# Altium PCB Board.PcbDoc (part 4 of 8) (continued)
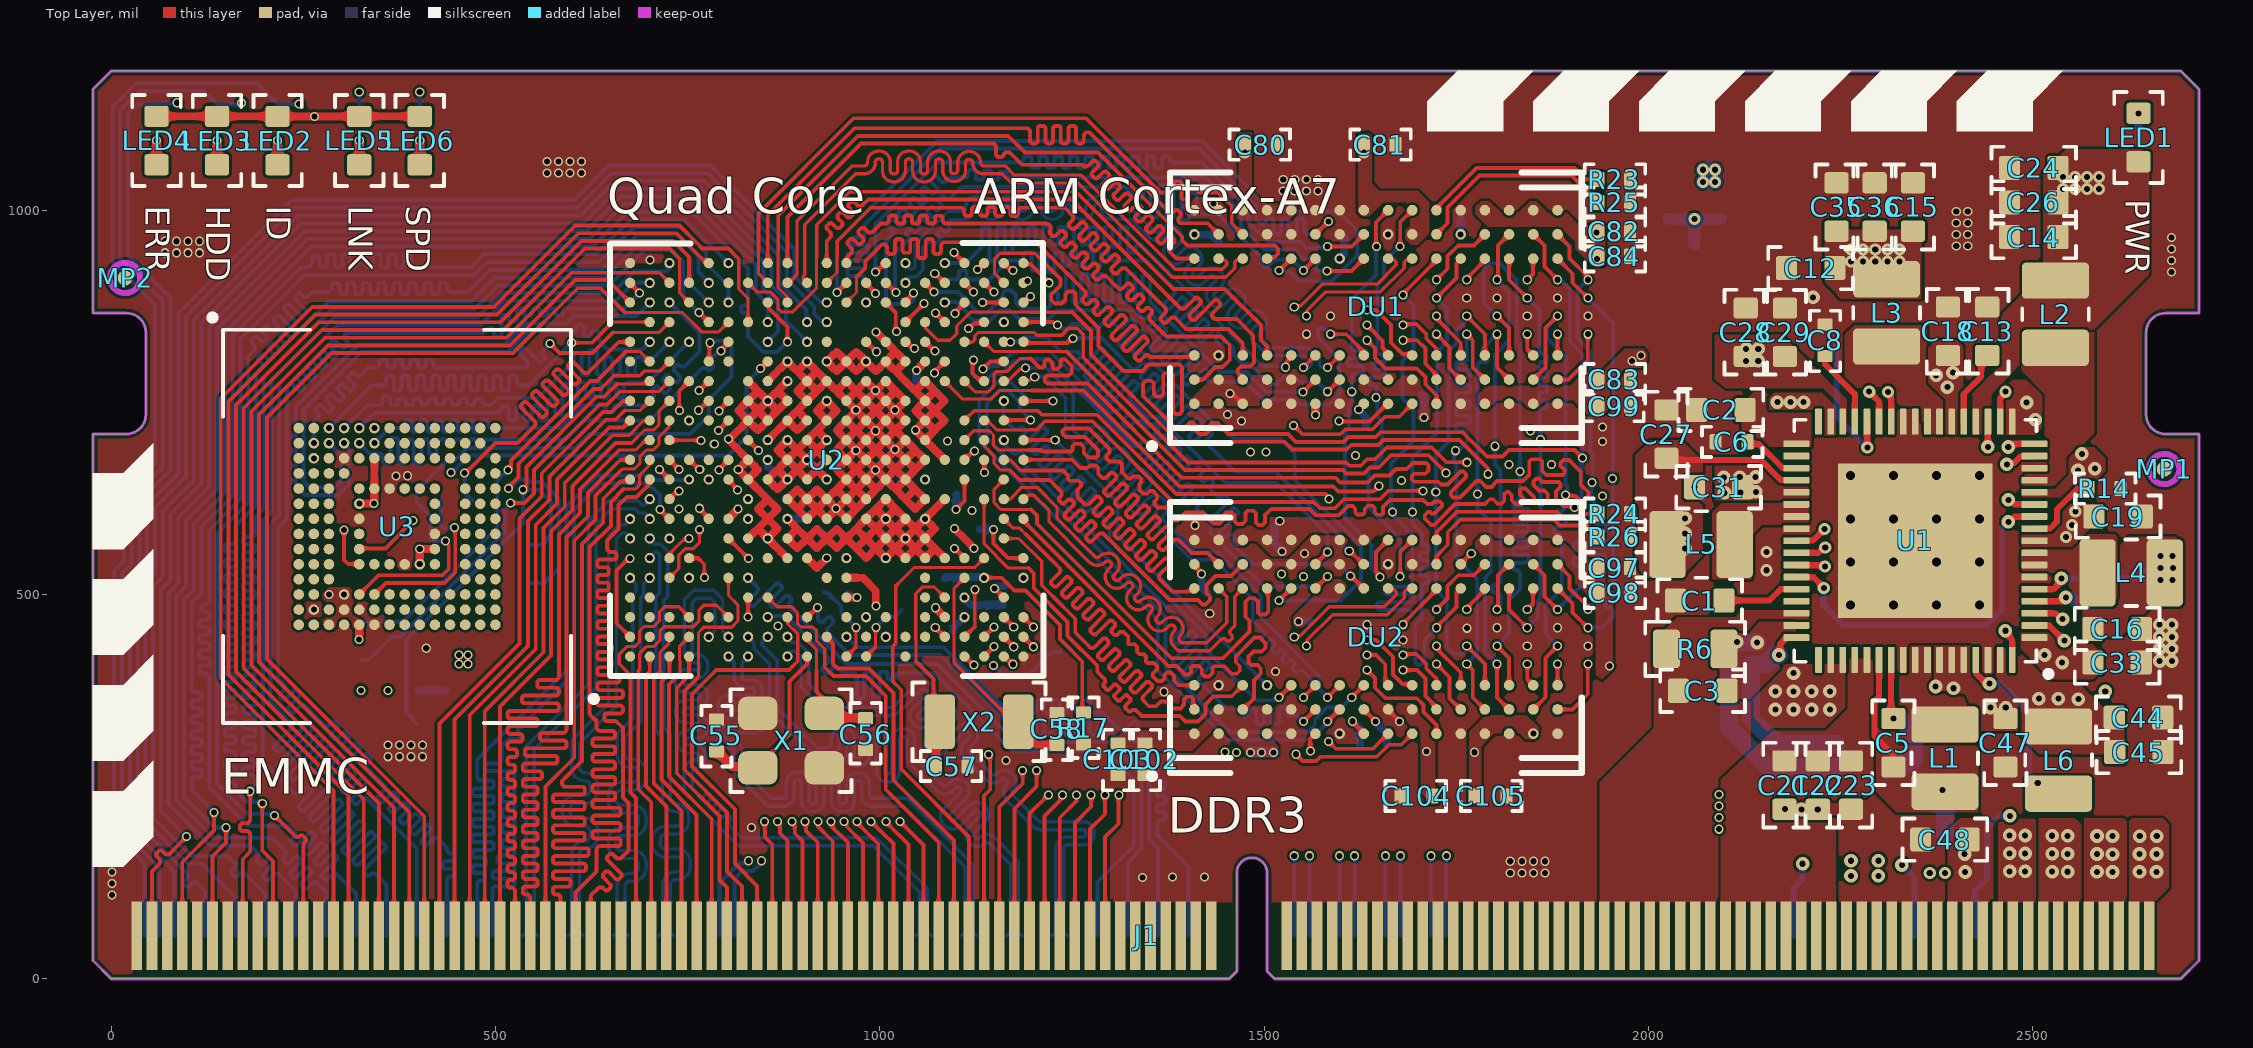
[diagram p0: Top Layer view]
## Nets (pads, with @x,y where several pads share a name; then routed paths per layer and width w, separated by ;. In a path a pad name is that pad's centre, name@x,y a point inside that pad or via, vN(x,y) a via of type N, cw(c..) or ccw(c..) an arc to the next point about the centre after c; other vN are vias at no path point) (continued)
SA3: DU1.N2 DU2.N2 U2.V20 | length 2004.4
  Top Layer w5: U2.V20@1110.24,905.51 v1(1122.05,893.7) ; v1(1763.78,409.45) 1771.65,401.58 1771.65,366.14 DU2.N2@1787.4,350.39 ; v1(1763.78,838.58) 1771.65,830.71 1771.65,795.28 DU1.N2@1787.4,779.53
  Int3 (Sign) w5: v1(1122.05,893.7) 1134.24,893.7 1136.81,896.27 1136.81,898.52 1143.52,905.23 1143.52,909.48 1141,912 1135.42,912 1129.02,905.6 1119.55,905.6 1114.54,910.6 1114.54,929.5 1123.6,938.56 1132.44,938.56 1139.44,931.56 1144.07,931.56 1147,934.49 1147,938.83 1143.27,942.56 1143.27,947.71 1148,952.44 1153,952.44 1156.26,949.19 1156.26,937.81 1160.91,933.16 1169.07,933.16 1172,936.09 1172,941 1168.07,944.93 1168.07,949.07 1171,952 1180.07,952 1183,949.07 1183,936.93 1185.93,934 1192.95,934 1196.76,937.81 1196.76,941.24 1193.07,944.93 1193.07,949.07 1196,952 1205.85,952 1208.78,949.07 1208.78,929.55 1216.33,922 1340.11,922 1418.81,843.31 1453.87,843.31 1474.69,822.48 1474.69,813.69 1471,810 1471,800 1475,796 1480,796 1489.43,805.43 1493.57,805.43 1501,798 1501,792.93 1498.07,790 1491,790 1489.21,788.21 1489.21,782.41 1496.55,775.07 1502.07,775.07 1512,785 1517,785 1519.93,782.07 1519.93,777.93 1513.13,771.13 1513.13,764.93 1516.06,762 1525.13,762 1543.13,780 1591.02,780 1598.33,787.3 1634.7,787.3 1658,764 1658,751 1634.83,727.83 1634.83,718.17 1643.02,709.98 1645.77,707.23 1674.14,707.23 1678.16,703.21 1678.16,697.94 1675.93,695.71 1640.58,695.71 1624.29,712 1620.63,712 1616.27,707.63 1616.27,703.1 1635.54,683.83 1686.82,683.83 1690,687.01 v1(1749.27,687.01)
  Bottom Layer w5: v1@1747.1,684.84 1747.1,672.9 1750.37,669.63 1750.37,547.33 1777.35,520.36 1777.35,450.52 1777.18,450.36 1777.18,422.85 v1(1763.78,409.45) ; v1(1749.27,687.01) 1752.79,687.01 1763.78,698 1763.78,705 1763.78,707.5 ccw(c1758.78,707.5) 1758.78,712.5 1752.5,712.5 cw(c1752.5,715) 1750,715 1750,720 cw(c1752.5,720) 1752.5,722.5 1765.43,722.5 ccw(c1765.43,725) 1767.93,725 1767.93,730 ccw(c1765.43,730) 1765.43,732.5 1752.5,732.5 cw(c1752.5,735) 1750,735 1750,740 cw(c1752.5,740) 1752.5,742.5 1765.43,742.5 ccw(c1765.43,745) 1767.93,745 1767.93,750 ccw(c1765.43,750) 1765.43,752.5 1752.5,752.5 cw(c1752.5,755) 1750,755 1750,760 cw(c1752.5,760) 1752.5,762.5 1765.43,762.5 ccw(c1765.43,765) 1767.93,765 1767.93,770 ccw(c1765.43,770) 1765.43,772.5 1752.5,772.5 cw(c1752.5,775) 1750,775 1750,780 cw(c1752.5,780) 1752.5,782.5 1765.43,782.5 ccw(c1765.43,785) 1767.93,785 1767.93,790 ccw(c1765.43,790) 1765.43,792.5 1752.5,792.5 cw(c1752.5,795) 1750,795 1750,800 cw(c1752.5,800) 1752.5,802.5 1758.78,802.5 ccw(c1758.78,807.5) 1763.78,807.5 1763.78,826.15 v1(1763.78,838.58)
SA4: DU1.P8 DU2.P8 U2.V21 | length 1882.7
  Top Layer w5: v1(1096.46,944.88) U2.V21@1110.24,931.1 ; v1@1804.51,485.61 1804.51,524.98 DU2.P8@1818.9,539.37 ; v1@1804.51,914.74 1804.51,954.12 DU1.P8@1818.9,968.51
  Int3 (Sign) w5: v1(1096.46,944.88) 1124.02,972.44 1250,972.44 1260,962.44 1260,945.38 1262.93,942.45 1269.45,942.45 1272,945 1272,967.44 1277,972.44 1281.23,972.44 1285.97,967.7 1285.97,945.4 1288.93,942.45 1294,942.45 1297.68,946.13 1297.68,970.64 1300.33,973.29 1305.71,973.29 1311,968 1311,948.45 1314.93,944.52 1319.07,944.52 1323,948.45 1323,969.59 1326.7,973.29 1332.34,973.29 1336,969.64 1340.13,965.5 1340.14,957.25 1336.01,953.13 1336.01,948.98 1339.62,945.38 1344.8,945.38 1354,954.58 1359.42,954.58 1367.45,946.55 1367.45,943.69 1361.67,937.91 1361.67,933.08 1367.85,926.9 1373.92,926.9 1378.84,931.82 1383.18,931.82 1387.93,927.07 1387.93,922.93 1382.88,917.88 1382.88,911.88 1383.12,911.88 1388.93,906.07 1393.07,906.07 1397.93,910.93 1402.07,910.93 1406,907 1406,901 1402.07,897.07 1402.07,892.68 1406.96,887.79 1413.11,887.79 1413.11,888.11 1417.93,892.93 1422.07,892.93 1425.93,889.07 1425.93,882.93 1420.95,877.95 1420.95,873.8 1423.8,870.95 1433.67,870.95 1437.72,875 1457.14,875 1466.07,866.07 1466.07,861.93 1470,858 1474.07,858 1484.99,868.92 1490.49,868.92 1494.65,864.76 1494.65,856.65 1486.49,848.49 1486.49,841.51 1490.28,837.72 1496.02,837.72 1507.3,849 1515.13,849 1519.29,844.84 1519.29,836.16 1513.03,829.9 1510.6,829.9 ; 1511,830 1505,830 1502.58,827.58 1502.58,823.44 1508.02,818 1531.14,818 1533.64,820.49 1533.64,824.46 1529.95,828.15 1529.95,846.49 1534.47,851.01 1537.83,851.01 1541.18,847.66 1541.18,833.43 1555.63,818.99 1603.31,818.99 1615,807.3 1659.14,807.3 1684.57,781.87 1684.57,728.71 1702.87,710.42 1759.42,710.42 1768,719 1780,719 1785.86,713.14 1785.86,703.05 1781.88,699.07 1781.88,694.74 1787.55,689.07 1791.07,689.07 1793.56,691.56 1799.19,691.56 v1(1800.49,692.86)
  Bottom Layer w5: v1(1803.15,480.31) 1803.15,482.16 1807.49,486.5 1807.49,495 1807.49,497.5 ccw(c1802.49,497.5) 1802.49,502.5 1800,502.5 cw(c1800,505) 1797.5,505 1797.5,510 cw(c1800,510) 1800,512.5 1802.49,512.5 ccw(c1802.49,517.5) 1807.49,517.5 1807.49,532.28 1807.49,661.74 1800.49,668.74 v1(1800.49,692.86) 1800.49,812.3 1818.9,830.71 1818.9,893.7 v1(1803.15,909.45)
SA5: DU1.P2 DU2.P2 U2.Y19 | length 1963.4
  Top Layer w5: v1(1133.86,879.77) 1133.93,879.84 1161.34,879.84 U2.Y19@1161.42,879.92 ; v1(1803.15,409.45) 1803.15,366.14 DU2.P2@1818.9,350.39 ; v1(1803.15,838.58) 1803.15,795.28 DU1.P2@1818.9,779.53
  Int3 (Sign) w5: v1(1133.86,879.77) 1133.86,828.66 1197.51,765 1234.7,765 1242.99,756.72 1252.69,756.72 1255.8,753.6 1255.8,748.88 1251.92,745 1240,745 1238,743 1238,737.55 1240.93,734.62 1258.27,734.62 1266.61,742.96 1271.35,742.96 1274.22,740.09 1274.22,734.64 1269.95,730.37 1269.95,723 1275.55,717.4 1282.3,717.4 1289.9,725 1294.98,725 1301.92,718.06 1301.92,713.92 1295,707 1295,699.23 1299.54,694.68 1303.68,694.68 1306.61,697.61 1306.61,701.61 1309.93,704.93 1314.07,704.93 1320.26,698.74 1320.26,692.96 1315.18,687.88 1315.18,679.04 1322.16,672.07 1329.07,672.07 1334,677 1339,677 1345.93,670.07 1345.93,665.93 1340,660 1340,654.23 1346.04,648.18 1350.18,648.18 1355.93,653.93 1360.07,653.93 1363.48,650.52 1363.48,628.2 1369.93,621.76 1373.24,621.76 1376,624.52 1376,632.34 1384.48,640.83 1392.55,640.83 1395.17,638.21 1395.17,633.31 1390,628.15 1390,624 1392.68,621.32 1401.01,621.32 1403.45,623.77 1403.45,636.91 1408.81,642.27 1416.03,642.27 1420.17,638.14 1420.17,633.24 1415,628.08 1415,623.93 1417.93,621 1426,621 1442.49,637.49 1481.51,637.49 1488.93,630.07 1488.93,625.93 1486.69,623.69 1444.17,623.69 1440.28,619.79 1440.28,616.15 1443.07,613.35 1492.57,613.35 1502,622.78 1502,627 1499.07,629.93 1499.07,634.07 1502,637 1508.73,637 1514,642.27 1588.25,642.27 1594.01,636.51 1607.08,636.51 1611.71,631.88 1621.88,631.88 1625,635 1625,640 1628,643 1634.62,643 1637.62,640 1637.62,635.23 1643.72,629.13 1658.13,629.13 1666,637 1672.07,637 1673.84,635.23 1673.84,627.16 1675.86,625.14 1682.8,625.14 1690.7,633.04 1690.7,658.7 1693.93,661.93 1702.07,661.93 1705,659 1705,648.97 1707.26,646.71 1712.29,646.71 1715.43,649.85 1715.43,661.82 1718.35,664.73 1722.13,664.73 1724.38,662.49 1724.38,648.29 1726.76,645.91 1732.02,645.91 1735.4,642.53 1735.4,632.93 1738.33,630 1742.16,630 1744.65,632.49 1744.65,648.6 1746.05,650 1749.4,650 1752.74,646.66 1752.74,627 1754.74,625 1760.42,625 1762.08,626.66 1762.08,639.58 1763.51,641 1770.38,641 1777.55,633.83 v1(1777.55,630.97)
  Bottom Layer w5: v1(1777.55,630.97) v1@1777.93,631.35 ; v1(1803.15,409.45) 1787.4,425.19 1787.4,521.4 1795,529 1795,595 1777.93,612.07 v1@1777.93,631.35 ; v1(1803.15,838.58) 1793.77,829.21 1791.27,826.71 1785.46,820.89 ccw(c1789.03,817.39) 1787.99,812.5 cw(c1787.99,810) 1790.49,810 1790.49,805 cw(c1787.99,805) 1787.99,802.5 1782.93,802.5 ccw(c1782.93,797.5) 1777.93,797.5 1777.93,785 v1@1777.93,631.35
SA6: DU1.R8 DU2.R8 U2.Y20 | length 1938.2
  Top Layer w4: 1156.99,943.92 1149.22,936.15 1149.22,917.71 U2.Y20@1161.42,905.51
  Top Layer w5: 1156.99,943.92 1201.75,943.92 1235.11,910.56 1235.11,902.02 1223.19,890.09 1223.19,883.14 1227.67,878.65 1236.34,878.65 1241.5,883.81 1241.5,890.5 1245,894 1252.2,894 1254.56,891.64 1254.56,876.96 1284.8,846.72 1284.8,823.23 1317.22,790.81 1341.75,790.81 1349.94,799 1390,799 1393.43,795.57 1393.43,737.93 1390.5,735 1384.93,735 1382,737.93 1382,785 1379.12,787.88 1370.88,787.88 1368.94,785.94 1368.94,760.76 1365.91,757.73 1359.6,757.73 1356.64,760.7 1356.64,774.83 1353.34,778.12 1346.53,778.12 1342.71,774.3 1342.71,758.5 1385.39,715.82 1395.56,715.82 1403.67,723.93 1407.18,723.93 1411.22,719.89 1411.22,713.53 1416.1,708.65 1424.36,708.65 1429,713.29 1429,720.07 1431.93,723 1439.65,723 1454,708.65 1531.01,708.65 1541.24,698.42 1603.37,698.42 1609.9,704.94 1645.33,704.94 1651.49,711.1 1758.28,711.1 1789.92,679.46 1810.11,679.46 1818.78,688.14 1903.83,688.14 v1(1914.24,677.73) ; DU2.R8@1850.39,539.37 1864.78,524.98 1864.78,497.42 v1(1881.89,480.31) ; DU1.R8@1850.39,968.5 1864.78,954.12 1864.78,926.55 v1(1881.89,909.45)
  Bottom Layer w5: v1(1881.89,480.31) 1914.98,513.4 1914.98,530.18 1914.98,532.68 ccw(c1909.98,532.68) 1909.98,537.68 1906.02,537.68 cw(c1906.02,541.18) 1902.52,541.18 1902.52,544.18 cw(c1906.02,544.18) 1906.02,547.68 1913.14,547.68 ccw(c1913.14,551.18) 1916.64,551.18 1916.64,554.18 ccw(c1913.14,554.18) 1913.14,557.68 1906.02,557.68 cw(c1906.02,561.18) 1902.52,561.18 1902.52,564.18 cw(c1906.02,564.18) 1906.02,567.68 1909.98,567.68 ccw(c1909.98,572.68) 1914.98,572.68 1914.98,581.44 1917.27,583.73 1917.27,618.55 1913.24,622.59 1913.24,676.78 1914.18,677.73 1914.18,812.56 1897.85,828.89 1897.85,897.42 1885.83,909.45 v1(1881.89,909.45)
SA7: DU1.R2 DU2.R2 U2.V15 | length 1995.3
  Top Layer w4: U2.V15@1110.24,777.56 1124.5,763.3 1141.07,763.3 1148.62,770.85 1148.62,786.64 1152.29,790.31 1165.82,790.31 1182.6,807.09 1196.2,807.09
  Top Layer w5: 1196.2,806.8 1207.93,795.07 1212.07,795.07 1214.38,797.38 1214.38,803.33 1216.71,805.66 1220.24,805.66 1224.66,801.25 1224.66,794.34 1226,793 1230.78,793 1235.12,797.34 1235.12,803.88 1236.71,805.48 1241.36,805.48 1249.81,797.03 1249.81,788.96 1245.71,784.86 1217.79,784.86 1215,782.07 1215,777.25 1217.93,774.32 1270.32,774.32 1392.8,651.84 1592.82,651.84 1598.99,645.67 1634.9,645.67 1643.9,654.67 1663.24,654.67 1671.65,663.08 1685.77,663.08 1693.79,671.1 1711.07,671.1 1714,668.17 1714,661.26 1709.74,657 1695.15,657 1692.2,654.05 1692.2,650.03 1695.52,646.71 1726.68,646.71 1730.39,643 1738.53,643 1755.68,660.15 1759.29,660.15 1763,656.44 1763,653 1743.14,633.13 1743.14,628.99 1746.06,626.06 1755.06,626.06 1776.5,647.5 1781.33,647.5 1788.83,640 1795.77,640 1803.24,647.48 1837.14,647.48 1845,655.33 1845,673.07 1847.93,676 1859.07,676 1862,673.07 1862,660.72 1867.18,655.54 1888.76,655.54 1891.09,657.87 1891.09,662.17 1885.92,667.34 1885.92,671.08 1889.84,675 1897,675 1912,660 1912,643.2 1922.29,632.92 1922.29,628.78 1915.68,622.17 1911.53,622.17 1905.43,628.27 1893.58,628.27 v1(1892.27,629.57) ; DU2.R2@1850.39,350.39 1866.33,366.33 1866.33,417.51 v1(1881.89,433.07) ; DU1.R2@1850.39,779.53 1866.33,795.46 1866.33,846.65 v1(1881.89,862.2)
  Bottom Layer w5: v1(1881.89,433.07) 1866.14,448.82 1866.14,485.77 1887.42,507.05 1887.42,570.55 1887.42,573.05 ccw(c1882.42,573.05) 1882.42,578.05 1881.04,578.05 cw(c1881.04,581.55) 1877.54,581.55 1877.54,584.55 cw(c1881.04,584.55) 1881.04,588.05 1889.31,588.05 ccw(c1889.31,591.55) 1892.81,591.55 1892.81,594.55 ccw(c1889.31,594.55) 1889.31,598.05 1881.04,598.05 cw(c1881.04,601.55) 1877.54,601.55 1877.54,604.55 cw(c1881.04,604.55) 1881.04,608.05 1886.23,608.05 ccw(c1886.23,613.05) 1889.77,609.51 1890.46,610.2 1890.46,618.55 1890.97,619.07 1890.97,627.84 1890.97,628.27 v1(1892.27,629.57) 1894.48,631.77 1894.48,640.52 1892.27,642.73 1892.27,809.24 1868.48,833.03 1868.48,848.8 v1(1881.89,862.2)
SA8: DU1.T8 DU2.T8 U2.W18 | length 1996.9
  Top Layer w5: v1(1115.28,846.29) 1117.12,846.29 1123.56,852.73 1134.22,852.73 U2.W18@1135.83,854.33 ; DU2.T8@1881.89,539.37 1897.64,523.62 1897.64,507.87 1921.26,484.25 v1(1921.26,480.31) ; DU1.T8@1881.89,968.5 1897.64,952.76 1897.64,937.01 v1@1921.26,913.39
  Int3 (Sign) w5: v1(1115.28,846.29) 1113.98,844.99 1102.63,844.99 1101.81,844.17 1097.67,844.17 1089.11,852.74 1039.1,852.74 1036.42,855.42 1016.08,855.42 1008.22,847.57 1008.22,836.46 1016.08,828.61 1024.18,828.61 1032.03,820.76 1032.03,811.83 1038.86,805 1052.83,805 1057.07,800.77 1078.77,800.77 1085.85,793.68 1085.85,759.51 1177.46,667.91 1259.09,667.91 1413.5,513.5 1462.4,513.5 1517.42,568.52 1746.46,568.52 1800.95,623 1843,623 1873.63,653.63 1916.56,653.63 1924.8,645.4 v1(1926.64,645.4)
  Bottom Layer w5: v1(1921.26,480.31) 1921.26,481.79 1930,490.53 1930,504 1930,516.5 cw(c1935,516.5) 1935,521.5 1939.49,521.5 ccw(c1939.49,524) 1941.99,524 1941.99,529 ccw(c1939.49,529) 1939.49,531.5 1927.48,531.5 cw(c1927.48,534) 1924.98,534 1924.98,539 cw(c1927.48,539) 1927.48,541.5 1941.55,541.5 ccw(c1941.55,544) 1944.05,544 1944.05,549 ccw(c1941.55,549) 1941.55,551.5 1929.14,551.5 cw(c1929.14,554) 1926.64,554 1926.64,559 cw(c1929.14,559) 1929.14,561.5 1941.55,561.5 ccw(c1941.55,564) 1944.05,564 1944.05,569 ccw(c1941.55,569) 1941.55,571.5 1929.52,571.5 cw(c1929.52,574) 1927.02,574 1927.02,579 cw(c1929.52,579) 1929.52,581.5 1941.55,581.5 ccw(c1941.55,584) 1944.05,584 1944.05,589 ccw(c1941.55,589) 1941.55,591.5 1935,591.5 cw(c1935,596.5) 1930,596.5 1930,619.18 1930,620.04 1925.75,624.29 v1@1925.75,645.4 ; v1(1921.26,909.45) 1907.85,896.04 1907.85,833.03 1925,815.88 1925,686.16 1925.24,685.93 1925.24,685.78 1925.52,685.5 1925.52,685.42 1925.83,685.11 ; 1925.83,685.09 1927.64,683.28 1927.64,646.4 v1(1926.64,645.4)
SA9: DU1.R3 DU2.R3 U2.Y18 | length 2010.4
  Top Layer w5: v1(1842.52,409.45) 1842.52,389.76 DU2.R3@1850.39,381.89 ; v1(1842.52,838.58) 1842.52,818.9 DU1.R3@1850.39,811.02
  Int2 (Sign) w5: v1(1842.52,409.45) 1868.48,435.41 1868.48,490.53 1874.02,496.06 v1(1874.02,669.21) 1879.81,675 1879.81,700.03 1879.81,712.5 cw(c1884.81,712.5) 1884.81,717.5 1885.57,717.5 ccw(c1885.57,720) 1888.07,720 1888.07,725 ccw(c1885.57,725) 1885.57,727.5 1874.7,727.5 cw(c1874.7,730) 1872.2,730 1872.2,735 cw(c1874.7,735) 1874.7,737.5 1885.57,737.5 ccw(c1885.57,740) 1888.07,740 1888.07,745 ccw(c1885.57,745) 1885.57,747.5 1874.7,747.5 cw(c1874.7,750) 1872.2,750 1872.2,755 cw(c1874.7,755) 1874.7,757.5 1885.57,757.5 ccw(c1885.57,760) 1888.07,760 1888.07,765 ccw(c1885.57,765) 1885.57,767.5 1874.7,767.5 cw(c1874.7,770) 1872.2,770 1872.2,775 cw(c1874.7,775) 1874.7,777.5 1885.57,777.5 ccw(c1885.57,780) 1888.07,780 1888.07,785 ccw(c1885.57,785) 1885.57,787.5 1884.81,787.5 cw(c1884.81,792.5) 1879.81,792.5 1879.81,795 1879.81,801.29 v1(1842.52,838.58)
  Int3 (Sign) w5: v1(1161.69,854.49) 1163.53,854.49 1191.02,827 1204.71,827 1229.85,801.85 1234.85,801.85 1239,806 1247,806 1249.93,803.07 1249.93,798.93 1244,793 1244,788 1247,785 1255,785 1259.8,789.8 1300.1,789.8 1409,680.9 1409,677 1404.57,672.57 1397.55,672.57 1290.52,779.6 1267.47,779.6 1265,777.13 1265,772 1270.83,766.17 1284.86,766.17 1389.61,661.42 1596.86,661.42 1597.93,662.49 1597.93,668.82 1595.75,671 1531,671 1529,673 1529,678.98 1530.02,680 1604,680 1607.09,676.91 1607.09,668.86 1611.08,664.87 1622.3,664.87 1630.66,673.23 1743.39,673.23 1763.81,652.82 1774.66,652.82 1792.27,635.21 1841.14,635.21 v1@1874.58,668.65
SA10: DU1.L7 DU2.L7 U2.P19 | length 1998.6
  Top Layer w5: U2.P19@1007.87,879.92 1020.77,867.02 1020.77,842.87 v1(1021.63,842.01) ; v1@1681.1,462.47 DU2.L7@1724.41,505.78 ; v1(1681.1,889.76) 1681.1,891.61 1724.41,934.91 DU1.L7@1724.41,937.01
  Int3 (Sign) w5: v1(1021.63,842.01) 1085.69,842.01 1096.94,830.77 1115.72,830.77 1191.48,755 1202.84,755 1232.97,724.88 1253.63,724.88 1260,718.5 1260,710.93 1262.93,708 1281.07,708 1284,705.07 1284,696 1295,685 1303.07,685 1306,682.07 1306,676 1321,661 1328.07,661 1331,658.07 1331,648 1342,637 1351.07,637 1354,634.07 1354,624.5 1374.43,604.07 1378.07,604.07 1384.5,610.5 1390.11,610.5 1393.5,607.11 1393.5,603.8 1386,596.31 1386,591 1392.28,584.72 1395.17,584.72 1398.09,587.65 1398.09,594.93 1405.07,601.91 1416.91,601.91 1426,611 1431.2,611 1435.45,606.75 1435.45,600.77 1426.8,592.12 1426.8,574.8 1424.07,572.07 1419.93,572.07 1414,578 1407.84,578 1404.91,575.07 1404.91,570.93 1416.93,558.9 1432.47,558.9 1435,561.43 1435,565 1439,569 1439,588.09 1453.41,602.5 1494.34,602.5 1513.05,621.21 1513.05,628.95 1517.74,633.63 1533.37,633.63 1539,628 1539,609 1540.93,607.07 1545.07,607.07 1548,610 1548,627 1553,632 1561,632 1564.93,628.07 1564.93,623.93 1556.94,615.94 1556.94,600.49 1565.36,600.49 1567,602.13 1567,613 1570,616 1574.28,616 1578.09,612.19 1578.09,602.91 1582,599 1586.46,599 1589.39,601.93 1589.39,612.19 1593.75,616.55 1598.67,616.55 1601.2,614.03 1601.2,608.78 1597.73,605.31 1597.73,600.67 1599.43,598.98 1607.97,598.98 1612.11,603.12 1612.11,614.11 1619,621 1638,621 1640.93,618.07 1640.93,613.93 1636.94,609.94 1625.64,609.94 1622.41,606.7 1622.41,603.72 1624.98,601.15 1648.15,601.15 1651,604 1651,612.63 1658.97,620.6 1663.11,620.6 1666.04,617.67 1666.04,608.4 v1(1667.34,607.09)
  Bottom Layer w5: v1(1681.1,460.63) 1692.91,472.44 1692.91,474.94 ccw(c1687.91,474.94) 1687.91,479.94 1650.71,479.94 cw(c1650.71,483.44) 1647.21,483.44 1647.21,486.44 cw(c1650.71,486.44) 1650.71,489.94 1691.22,489.94 ccw(c1691.22,493.44) 1694.72,493.44 1694.72,496.44 ccw(c1691.22,496.44) 1691.22,499.94 1660.85,499.94 cw(c1660.85,503.44) 1657.35,503.44 1657.35,506.44 cw(c1660.85,506.44) 1660.85,509.94 1687.91,509.94 ccw(c1687.91,514.94) 1692.91,514.94 1692.91,522.8 1692.91,578 1667.34,603.57 v1(1667.34,607.09) 1665.39,609.05 1665.39,670.39 1694.51,699.51 1694.51,740.25 1680,754.75 1680,803.51 1694.51,818.02 1694.51,876.36 v1(1681.1,889.76)
SA11: DU1.R7 DU2.R7 U2.N19 | length 1927
  Top Layer w5: v1(1842.52,480.31) 1849.91,487.7 DU2.R7@1849.91,507.39 ; v1(1842.52,909.45) 1849.91,916.84 1849.91,936.53 DU1.R7@1850.39,937.01
  Int2 (Sign) w5: v1(1842.52,480.31) 1842.52,500 1846.54,504.02 v1(1846.54,712.41) 1846.54,795.19 1823.63,818.1 1823.63,910.93 1830.17,917.47 1836.22,917.47 1842.52,911.18 v1(1842.52,909.45) v1@1844.69,911.62
  Int3 (Sign) w5: v1(982.34,879.92) 982.34,883.31 969.73,895.92 969.73,913.65 1002.77,946.69 1065.17,946.69 1112.73,994.25 1357.93,994.25 1453.26,898.92 1496.08,898.92 1507,888 1520.56,888 1528.25,895.69 1584.74,895.69 1613.43,867 1619.02,867 1621.95,869.93 1621.95,875.01 1626,879.06 1626,885.53 1629.59,889.12 1641.06,889.12 1650.41,879.77 1668.15,879.77 1684.5,863.41 1697.54,863.41 1702.47,858.49 1702.47,852.7 1694.94,845.18 1694.94,838.06 1699,834 1699,826.3 1689.99,817.29 1689.99,807.01 1697,800 1703,800 1710.93,807.93 1715.07,807.93 1719.3,803.7 1719.3,796.78 1721.09,795 1760.14,795 1767.48,787.65 1767.48,780.48 1765.49,778.49 1754.51,778.49 1749.07,783.93 1717.93,783.93 1713.43,779.43 1713.43,774.52 1716.31,771.63 1742.38,771.63 1746.22,767.79 1773.78,767.79 1777.75,763.82 1777.75,759.57 1774.47,756.29 1745.29,756.29 1742.35,753.35 1742.35,747.65 1744.79,745.21 1779.17,745.21 1786.28,752.32 1794.12,752.32 1801.43,745 1801.43,737.35 1807.21,731.57 1817.57,731.57 1821,735 1829,735 1834.18,729.82 1834.18,724.77 1826.7,717.29 1826.7,712.3 1833.57,705.43 1837.72,705.43 1844.7,712.41 v1(1846.54,712.41)
SA12: DU1.N7 DU2.N7 U2.R18 | length 1981.5
  Top Layer w5: U2.R18@1033.46,854.33 v1(1057.46,878.33) ; v1@1763.78,482.16 1787.4,505.78 DU2.N7@1787.4,507.87 ; v1(1763.78,909.45) 1763.78,911.29 1787.4,934.91 DU1.N7@1787.4,937.01
  Int2 (Sign) w5: v1(1763.78,480.31) 1818.9,535.43 1818.9,569.79 1818.9,572.29 ccw(c1813.9,572.29) 1813.9,577.29 1813.29,577.29 cw(c1813.29,580.79) 1809.79,580.79 1809.79,583.79 cw(c1813.29,583.79) 1813.29,587.29 1824.89,587.29 ccw(c1824.89,590.79) 1828.39,590.79 1828.39,593.79 ccw(c1824.89,593.79) 1824.89,597.29 1813.29,597.29 cw(c1813.29,600.79) 1809.79,600.79 1809.79,603.79 cw(c1813.29,603.79) 1813.29,607.29 1824.89,607.29 ccw(c1824.89,610.79) 1828.39,610.79 1828.39,613.79 ccw(c1824.89,613.79) 1824.89,617.29 1823.9,617.29 cw(c1823.9,622.29) 1818.9,622.29 1818.9,629.92 v1(1818.9,669.29) 1814.96,673.23 1814.96,791.34 1783.46,822.83 1783.46,889.76 v1(1763.78,909.45)
  Int3 (Sign) w5: v1(1057.46,878.33) 1057.46,924.84 1116.87,984.25 1349.91,984.25 1446.74,887.42 1490.58,887.42 1505,873 1505,868 1511.02,861.98 1513,860 1520.07,860 1524.63,864.56 1524.63,876.11 1534.44,885.92 1579.73,885.92 1603.51,862.15 1603.51,833.59 1618.3,818.8 1646.8,818.8 1651,823 1651,864.61 1654.32,867.93 1663.07,867.93 1667,864 1667,815.51 1698,784.51 1698,745.93 1700.93,743 1712.56,743 1717.07,747.51 1717.07,758.89 1720.16,761.97 1729.7,761.97 1732.74,758.93 1732.74,729.19 1736.93,725 1747,725 1756.14,734.14 1781.96,734.14 1797.29,718.81 1804.65,718.81 1806.98,721.14 1812.93,721.14 1817,717.07 1817,709.98 1814.22,707.2 1814.22,698.02 1816.85,695.39 1836.97,695.39 1839.28,693.07 1839.28,679.88 1842.54,676.62 1848.25,676.62 1852,680.38 1852,686.62 1855.02,689.64 1861.12,689.64 1864.56,686.19 1864.56,682.56 1862,680 1862,670.21 1838.6,646.81 1823.59,646.81 1818.9,651.5 v1(1818.9,669.29)
SA13: DU1.T3 DU2.T3 U2.V12 | length 1939.2
  Top Layer w4: U2.V12@1110.24,700.79 1122.43,712.98 1142.41,712.98 1148.02,707.37 1148.02,694.15 1154.17,688 1193.57,688
  Top Layer w5: 1193.57,688 1210,688 1212.02,685.98 1248.82,685.98 1251.03,688.18 1251.03,692.89 1254.13,696 1261,696 1265.55,691.45 1265.55,684.06 1271.6,678 1282.1,678 1284.09,679.99 1284.09,687.91 1267,705 1242,705 1238,709 1238,713.07 1240.93,716 1272.07,716 1272.07,715.93 1298.93,689.07 1298.93,684.93 1295.07,681.07 1295.07,676.93 1298.81,673.19 1311.87,673.19 1315.31,669.75 1315.31,658.93 1323.77,650.47 1326.13,650.47 1329.26,653.6 1336.6,653.6 1340.03,650.17 1340.03,646.03 1338.12,644.12 1338.12,636.12 1343.17,631.07 1348.07,631.07 1351.43,634.43 1355.57,634.43 1361,629 1361,624.53 1357.43,620.96 1357.43,616.81 1361.24,613 1375.07,613 1377.57,610.51 1377.57,599.43 1381,596 1387.29,596 1397.84,606.55 1420.96,606.55 1435.15,592.36 1442.49,592.36 1448.19,598.06 1448.19,604.34 1450.57,606.73 1457.54,606.73 1461.44,602.82 1461.44,595.54 1465.21,591.78 1471.89,591.78 1476,595.88 1476,606.07 1478.93,609 1486,609 1489.36,605.64 1489.36,593.71 1492.93,590.14 1497.81,590.14 1501.24,593.57 1501.24,603.25 1509.39,611.41 1559.13,611.41 1567.58,602.96 1597,602.96 1609.04,615 1615.18,615 1618.74,611.44 1618.74,606.42 1621.16,604 1628.56,604 1631,606.44 1631,611.36 1635,615.36 1641.07,615.36 1644,612.43 1644,607 1647.21,603.79 1653.66,603.79 1654.84,604.96 1654.84,613.84 1663.9,622.9 1707,622.9 1712.33,617.56 1718.41,617.56 1722,621.15 1728.57,621.15 1731.5,618.22 1731.5,614.99 1721.62,605.11 1717.97,605.11 1716,607.09 1713.09,607.09 1709.07,603.07 1709.07,598.93 1715.02,592.98 1717.43,590.57 1721.57,590.57 1748.56,617.56 1787.56,617.56 1793.78,623.78 1798.22,623.78 1804,618 1809.18,618 1812.47,621.29 1812.47,630.03 1816.11,633.67 1817.98,633.67 1822.39,629.25 1822.39,622.56 1827.96,617 1835.42,617 1839.21,620.79 1839.21,623.79 1832.95,630.05 1832.95,636.36 1834.6,638 1840,638 1851.34,626.66 1851.34,624.07 1857.82,617.58 1863.21,617.58 1869.14,623.51 1869.14,630.71 1864.67,635.18 1857.85,635.18 1850.73,642.3 1850.73,647.07 1854.45,650.79 1857.84,650.79 1862.28,646.35 1883.59,646.35 1885.83,644.11 1885.83,639.96 1879.93,634.06 1879.93,624.17 1889.09,615 1901.86,615 v1(1903.86,613) ; DU2.T3@1881.89,381.89 v1(1881.89,409.45) ; DU1.T3@1881.89,811.02 v1(1881.89,838.58)
  Int2 (Sign) w5: v1(1881.89,409.45) 1901.57,429.13 1901.57,498.39 1901.57,500.89 ccw(c1896.57,500.89) 1896.57,505.89 1896.14,505.89 cw(c1896.14,509.39) 1892.64,509.39 1892.64,512.39 cw(c1896.14,512.39) 1896.14,515.89 1900.54,515.89 ccw(c1900.54,519.39) 1904.04,519.39 1904.04,522.39 ccw(c1900.54,522.39) 1900.54,525.89 1896.14,525.89 cw(c1896.14,529.39) 1892.64,529.39 1892.64,532.39 cw(c1896.14,532.39) 1896.14,535.89 1896.57,535.89 ccw(c1896.57,540.89) 1901.57,540.89 1901.57,553.5 1901.57,610.71 v1(1903.86,613) 1905.68,614.82 1905.68,667.33 1900.83,672.17 1900.83,819.64 v1(1881.89,838.58)
SA14: DU1.T7 DU2.T7 U2.N17 | length 1918
  Top Layer w5: U2.N17@982.28,828.74 982.35,828.74 995.33,815.76 v1(995.7,815.76) ; DU2.T7@1881.89,507.87 1901.57,488.19 1901.57,476.38 v1(1921.26,456.69) ; DU1.T7@1881.89,937.01 1901.58,917.32 1901.58,905.51 v1(1921.26,885.83)
  Int3 (Sign) w5: v1(995.7,815.76) 1009.12,815.76 1018.63,806.26 1018.63,796.37 1042.81,772.19 1062.46,752.54 1109.43,705.57 1109.43,652.01 1136.99,624.45 1243.55,624.45 1406,462 1456,462 1470,476 1527.18,476 1560.36,509.18 1686.18,509.18 1715,538 1771.31,538 1828.31,595 1902.7,595 1924.15,616.45 1945.57,616.45 1968.06,638.94 1968.06,653.9 1964.29,657.67 1960.19,657.67 v1(1953.45,650.92) v1@1954.75,649.62
  Bottom Layer w5: v1(1921.26,456.69) 1939.97,456.69 1954.05,470.76 1954.05,475.14 1954.05,477.64 ccw(c1949.05,477.64) 1949.05,482.64 1947.44,482.64 cw(c1947.44,486.14) 1943.94,486.14 1943.94,489.14 cw(c1947.44,489.14) 1947.44,492.64 1952.68,492.64 ccw(c1952.68,496.14) 1956.18,496.14 1956.18,499.14 ccw(c1952.68,499.14) 1952.68,502.64 1947.44,502.64 cw(c1947.44,506.14) 1943.94,506.14 1943.94,509.14 cw(c1947.44,509.14) 1947.44,512.64 1949.05,512.64 ccw(c1949.05,517.64) 1954.05,517.64 1954.05,527.56 1954.05,650.33 v1(1953.45,650.92) ; v1(1921.26,885.83) 1954.08,853.01 1954.08,652.58 v1@1952.76,651.25